# Allegro board EVK1_BM92T30-HOST-EVK-101_BRD_REV03_2016-02-26.brd (continued)
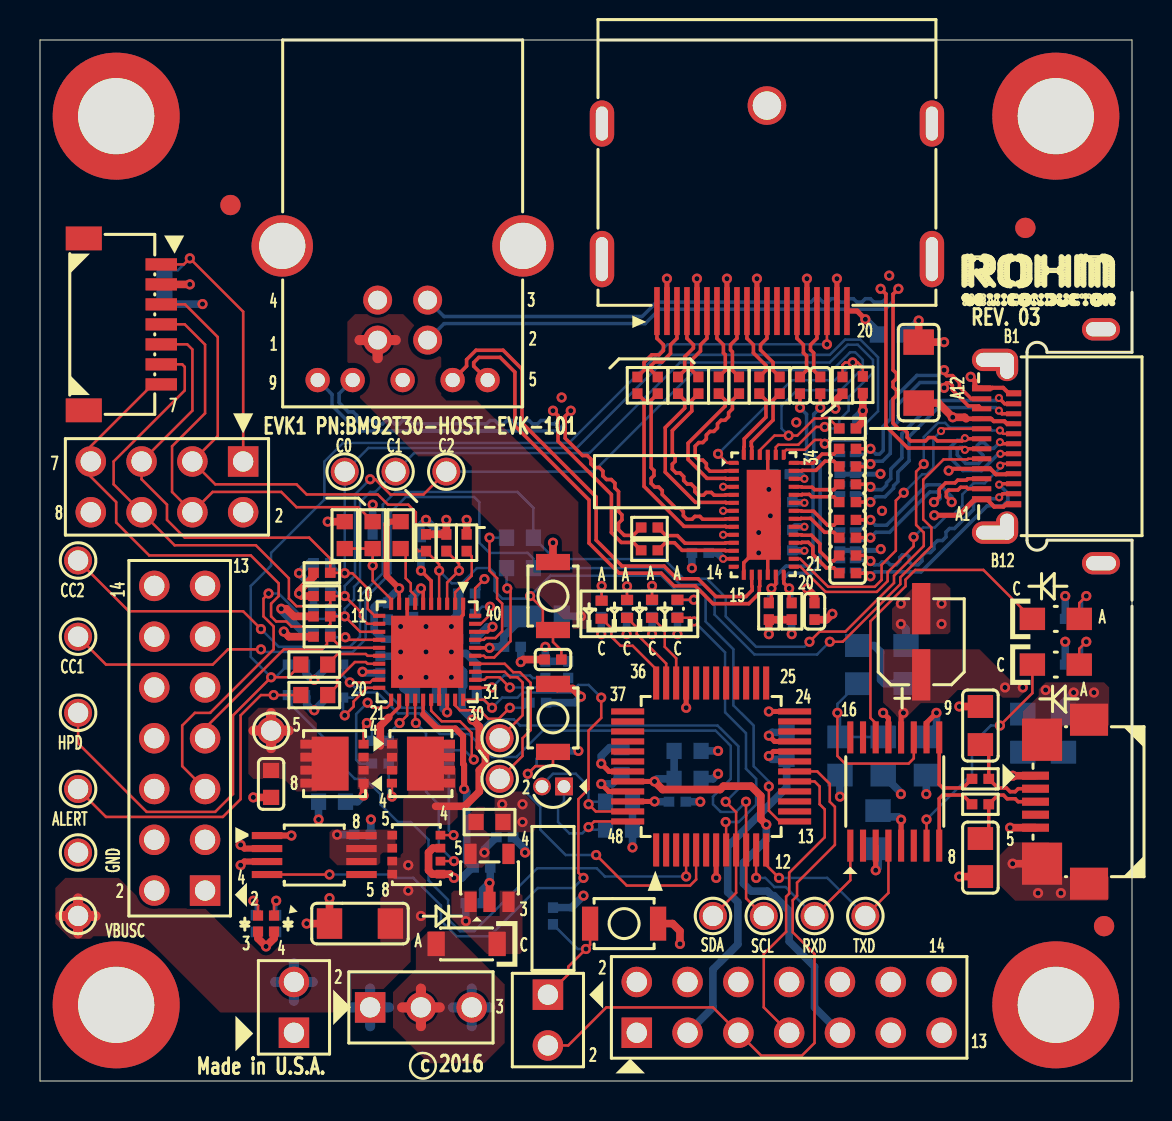
[diagram p0: board, top side]
## Routing (per net, layer and track width the routed paths; a pad name or vN(x,y) marks a point on that pad's centre or on a via; arc(x,y) is an arc through that point) (continued)
N1040605: length 6
  TOP w0.127: Q3.2 v1(20.7,11)
  BOTTOM w0.127: v1(20.7,11) 19.94,11.76 19.94,13.84 19.3,14.48 R4.2
N1040616: length 4.2
  TOP w0.127: Q3.4 v1(20.68,12.3)
  BOTTOM w0.127: R5.2 20.45,12.53 v1(20.68,12.3)
N1041041: length 14.2
  TOP w0.178: U1.25 19.16,18.34
  TOP w0.305: v1(21.21,14.61) 21.21,15.81 21.16,15.86 21.16,15.91 21.16,15.92 21.16,17.23 21.16,17.25 20.77,17.63 19.87,17.63 19.16,18.34
  TOP w0.381: v1(20.7,10.16) 20.51,10.35 Q3.1 19.62,10.35 19.43,10.54 19.43,11.43 19.65,11.65 Q3.3
  BOTTOM w0.381: v1(20.7,10.16) 21.11,10.16 21.62,10.67 C8.2 21.34,11.01 21.34,14.48 v1(21.21,14.61)
N1043525: length 0.9
  BOTTOM w0.381: C10.2 v1(14.86,12.32)
N1043540: length 37.2
  TOP w0.127: U1.30 22.21,19.07 v1(22.61,18.67) ; v1(27.18,10.16) 26.92,10.41 26.92,14.1 27.43,14.61 27.43,17.53 28.07,18.16 v1(28.07,19.18) ; U2.4 v1(14.48,10.33)
  BOTTOM w0.127: v1(27.18,10.16) 26.67,9.65 24.89,9.65 22.48,7.24 20.83,7.24 20.05,8.01 20.05,8.78 18.67,10.16 17.75,10.16 17.59,10.33 v1(14.48,10.33) ; v1(28.07,19.18) 27.43,19.81 26.92,19.81 26.54,19.43 24.13,19.43 23.88,19.18 23.11,19.18 v1(22.61,18.67) 22.48,18.8 22.44,18.8 R14.2
N1043570: length 3.5
  TOP w0.508: 10.68,17.53 TP2.1 ; TP2.1 12.43,17.53 ; TP2.1 11.56,16.65 ; TP2.1 11.56,18.4
N1044733: length 19.7
  TOP w0.127: v1(15.27,22.2) 15.4,22.07 U1.14 ; J5.5 7.11,15.75 7.11,17.78 7.75,18.41 8.51,18.41 11.68,21.59 11.68,22.73 11.18,23.24 11.18,24.13 v1(11.43,24.38)
  BOTTOM w0.127: v1(11.43,24.38) 11.94,24.38 13.21,23.11 14.39,23.11 14.52,22.99 R10.1 14.8,22.2 v1(15.27,22.2)
N1044754: length 5.3
  TOP w0.127: U1.10 17.56,24.09 16.64,25.02 v1(16.64,25.78) R26.1 R11B.1
  BOTTOM w0.127: R11A.2 v1(16.64,25.78)
N1045002: length 2.8
  TOP w0.127: U1.16 16.38,21.27 16.29,21.36 14.89,21.36 14.39,20.86 R22.1
N1045014: length 3.5
  TOP w0.127: U1.17 16.38,20.87 16.3,20.95 15.75,20.95 14.86,20.07 14.86,19.77 R23.1
N1045813: length 4.6
  TOP w0.127: v1(23.5,18.67) 22.94,18.12 22.41,18.12 21.98,18.55 21,18.55 20.76,18.79 U1.29
  BOTTOM w0.127: R13.2 24.22,18.67 v1(23.5,18.67)
N1045859: length 11.5
  TOP w0.127: J5.7 8.26,17.65 12.19,21.59 14.1,21.59 14.35,21.84 14.35,22.06 R18.2 15.07,21.67 U1.15
N1045864: length 4.4
  TOP w0.127: U1.3 20.36,24.93 v1(20.95,25.53) 20.95,25.87 R20.1
  BOTTOM w0.127: v1(20.95,25.53) 20.95,25.87 R20.1
N1046970: length 3.1
  TOP w0.127: R37.1 21.59,26.25 21.59,25.27 20.76,24.44 U1.2
N1049660: length 22.2
  TOP w0.127: EEPROM-IF.4 7.24,37.85 8.26,36.83 8.26,33.4 6.6,31.75 6.6,29.46 J12.4 8.64,29.46 12.06,29.46 12.83,28.7 15.91,28.7 R26.2
N1054392: length 2.2
  TOP w0.127: U1.39 22.05,22.87 22.5,23.32 v1(22.5,23.72)
  BOTTOM w0.127: v1(22.5,23.72) 22.11,23.72 C17.2
N1054695: length 5.1
  TOP w0.127: v1(23.5,19.68) 22.99,20.19 22.35,20.19 22.23,20.07 U1.32
  BOTTOM w0.127: v1(23.5,19.68) 25.95,19.68 R32.1
N1054899: length 3
  TOP w0.127: U1.40 21.76,24.64 v1(22.23,25.11)
  BOTTOM w0.127: C16.2 21.97,24.6 21.97,24.85 v1(22.23,25.11)
N1054977: length 2.1
  TOP w0.178: U1.38 22.38,22.47 v1(22.63,22.72)
  BOTTOM w0.381: C18.2 22.38,22.72 v1(22.63,22.72)
N1055987: length 5.9
  TOP w0.127: U1.33 23.24,20.47 23.52,20.19 23.88,20.19 24.14,19.93 24.14,18.29 TP0.1
N1055996: length 8.6
  TOP w0.127: TP1.1 24.13,16.26 24.13,17.14 24.54,17.55 24.54,19.91 24,20.45 23.66,20.45 23.24,20.87 U1.34
N1058749: length 5.9
  TOP w0.127: v1(23.37,24.64) 23.53,24.48 23.53,22 22.71,21.18 22.29,21.18 22.2,21.27 U1.35
  BOTTOM w0.127: R102.2 23.33,24.68 v1(23.37,24.64)
N1058753: length 7.3
  TOP w0.127: v1(22.48,27.18) 22.48,25.53 22.86,25.15 22.86,24.13 23.11,23.88 23.11,22.5 22.77,22.16 22.28,22.16 22.2,22.07 U1.37
  BOTTOM w0.127: R101.2 v1(22.48,27.18)
N1058804: length 3.4
  TOP w0.178: U1.36 v1(22.48,21.67)
  BOTTOM w0.381: v1(22.48,21.67) 22.53,21.72 C19.2 23.2,22.25 D1.2
N1061534: length 14.3
  TOP w0.127: EEPROM-IF.1 7.19,40.85 v1(7.49,41.15) 10.16,38.48 J12.1
  BOTTOM w0.127: R12.1 6.9,40.55 v1(7.49,41.15)
N13959643: length 13.9
  TOP w0.178: v1(38.01,33.68) C93.2 ; U24.19 36.79,24.86 v1(36.58,24.64) 36.58,24.04 R28.2
  BOTTOM w0.178: v1(38.01,33.68) 38.34,33.35 38.34,31.14 38.66,30.82 38.66,25.96 38.46,25.76 37.31,25.76 36.84,25.29 36.84,24.89 36.59,24.64 v1(36.58,24.64) 36.45,24.51 R28.2
N13959647: length 13.9
  TOP w0.178: R30.2 37.47,24.04 v1(37.47,24.64) 37.19,24.91 U24.20 ; v1(39.02,33.68) C94.2
  BOTTOM w0.178: R30.2 37.59,24.51 v1(37.47,24.64) 37.2,24.9 37.2,25.15 37.45,25.4 38.6,25.4 39.01,25.81 39.01,30.97 38.69,31.29 38.69,33.35 v1(39.02,33.68)
N13960041: length 11.8
  TOP w0.127: R53.1 40.13,35.81 40.26,35.94 v1(40.64,35.94) 40.89,35.94 41.15,35.69 R50.2 ; U24.1 34.36,30.92 v1(33.91,31.37)
  BOTTOM w0.127: v1(40.64,35.94) 39.75,35.05 37.59,35.05 v1(33.91,31.37)
N13960387: length 2.6
  TOP w0.178: U24.34 38.1,30.92 38.12,30.9 38.65,30.9 39.11,31.36 39.7,31.36 C85.1
N13960395: length 2.6
  TOP w0.178: C86.1 39.7,31 39.26,31 38.8,30.54 38.12,30.54 38.1,30.52 U24.33
N13960433: length 2.4
  TOP w0.178: C87.1 39.7,29.58 38.74,29.58 38.62,29.7 38.11,29.7 38.08,29.72 U24.31
N13960453: length 2.4
  TOP w0.178: U24.30 38.09,29.32 38.12,29.34 38.47,29.34 38.59,29.22 39.7,29.22 C88.1
N13960469: length 3.1
  TOP w0.178: C91.1 39.7,26.02 39.47,26.02 39,26.49 39,26.87 38.57,27.3 38.11,27.3 38.08,27.32 U24.25
N13960473: length 2.7
  TOP w0.178: 37.69,28.12 38.04,28.12 38.06,28.14 38.54,28.14 39.24,27.44 39.7,27.44 C90.1
N13960481: length 2.7
  TOP w0.178: C89.1 39.7,27.8 39.39,27.8 38.69,28.5 38.09,28.5 38.07,28.52 U24.28
N13960497: length 3.1
  TOP w0.178: C92.1 39.7,25.67 39.32,25.67 38.65,26.34 38.65,26.72 38.43,26.94 38.1,26.94 38.08,26.92 U24.24
N13961019: length 16
  TOP w0.127: v2(45.06,32.51) 45.17,32.62 U23.A8 ; v1(43.2,29.43) 42.8,29.03 42.8,26.53 42.09,25.81 42.09,25.06 41.74,24.72 39.42,24.72 38.01,26.12 U24.22
  BOTTOM w0.127: v2(45.06,32.51) 44.68,32.13 44.68,30.68 44.35,30.35 44.12,30.35 v1(43.2,29.43)
N13961039: length 15.1
  TOP w0.127: U24.21 38.03,25.72 39.29,24.46 41.85,24.46 42.39,25 42.39,25.45 43.69,26.74 v1(43.69,27.21) ; U23.B8 48.11,30.87 v2(48.02,30.78)
  BOTTOM w0.127: v1(43.69,27.21) 44.16,27.68 44.75,27.68 45.39,28.32 45.66,28.32 46.13,28.79 46.13,29.34 46.69,29.9 47.24,29.9 48.02,30.67 v2(48.02,30.78)
N13962061: length 1
  BOTTOM w0.381: C2.2 22.23,11.6 v1(22.23,11.43)
N13962097: length 1.5
  TOP w0.127: D14.1 11.7,8.91 v1(11.81,9.02)
  BOTTOM w0.127: R155.2 v1(11.81,9.02)
N13962101: length 1.6
  TOP w0.127: v1(10.67,9.02) 10.9,8.78 D14.2
  BOTTOM w0.127: v1(10.67,9.02) 10.79,8.89 R156.2
N13962195: length 0.9
  BOTTOM w0.381: C3.2 v1(21.3,8)
N13963383: length 6.8
  TOP w0.127: v1(27.43,13.84) 27.79,13.48 U6.47
  BOTTOM w0.127: C34.1 27.56,13.97 v1(27.43,13.84) 27.43,14.73 26.8,15.37 25.65,15.37 25.1,14.82 X1.2
N13963387: length 6.8
  TOP w0.127: v1(27.43,12.7) 27.71,12.98 U6.48
  BOTTOM w0.127: C35.1 27.56,12.57 v1(27.43,12.7) 27.12,12.39 26.48,12.39 25.91,12.95 25.91,13.67 26.2,13.97 X1.1
N13963581: length 1.4
  TOP w0.127: D13.2 v1(30.61,24.77)
  BOTTOM w0.127: R41.1 v1(30.61,24.77)
N13963633: length 1.4
  TOP w0.127: D12.2 v1(29.36,24.74)
  BOTTOM w0.127: v1(29.36,24.74) 29.34,24.72 R42.1
N13963657: length 1.5
  TOP w0.127: D11.2 v1(28.09,24.77)
  BOTTOM w0.127: R43.1 28.07,24.74 v1(28.09,24.77)
N13963717: length 1.7
  TOP w0.127: D10.2 v1(32.7,24.07)
  BOTTOM w0.127: v1(32.7,24.07) 32.67,24.04 R44.1
N13963729: length 3.8
  TOP w0.127: D13.1 31.24,22.54 31.24,21.72 31.81,21.15 U6.34
N13963741: length 4.7
  TOP w0.127: D11.1 28.57,22.64 28.57,22.23 29.03,21.77 29.64,21.77 30.81,20.6 U6.36
N13963753: length 14.6
  TOP w0.127: v1(34.29,12.95) 34.31,12.93 U6.8 ; D10.1 32.52,23.17 v1(32.71,22.99)
  BOTTOM w0.127: v1(34.29,12.95) 34.94,12.95 35.81,13.83 35.81,15.11 35.31,15.62 35.31,17.4 34.26,18.44 34.26,21.43 v1(32.71,22.99)
N13963793: length 2.1
  TOP w0.254: U6.46 v1(30.73,13.98)
  BOTTOM w0.381: C36.2 30.75,13.97 v1(30.73,13.98)
N13963807: length 4.1
  TOP w0.127: U6.35 31.31,20.88 29.84,22.35 29.84,22.68 D12.1
N13964099: length 31.8
  TOP w0.127: J4.2 26.42,1.78 28.32,3.68 33.66,3.68 J3.5 36.07,1.27 38.1,1.27 38.73,1.91 38.73,6.35 37.64,7.44 37.64,9.04 37.86,9.26 37.86,9.92 39.75,11.81 39.75,13.72 39.5,13.97 39.5,14.86 38.87,15.48 U6.18
N13964103: length 15.6
  TOP w0.127: U6.17 38.74,14.98 38.99,14.73 38.99,13.84 39.24,13.59 39.24,12.19 37.47,10.41 37.47,9.37 37.31,9.22 37.31,7.47 36.2,6.35 36.2,3.68 J3.7
N13965463: length 2.5
  TOP w0.127: v1(52.32,24.26) 51.97,23.91 LED3.A
  BOTTOM w0.127: R46.1 52.11,24.04 v1(52.32,24.26)
N13965467: length 2.5
  TOP w0.127: v1(52.32,21.97) 51.97,21.62 LED4.A
  BOTTOM w0.127: R47.1 52.11,21.76 v1(52.32,21.97)
N13965575: length 4.6
  TOP w0.178: C44.2 47.45,16.41 R48.1 47.9,14.66 48.33,14.66 48.51,14.47 48.77,14.47 48.92,14.62 J11.2
N13965599: length 4.6
  TOP w0.178: C45.2 47.45,12.55 R49.1 47.9,14.3 48.18,14.3 48.37,14.12 48.77,14.12 48.92,13.97 J11.3
N13965631: length 12.6
  TOP w0.127: v1(39.88,18.41) 39.88,16.26 40.26,15.88 43.43,15.88 43.7,16.14 U5.11
  BOTTOM w0.127: R45.1 39.88,18.86 v1(39.88,18.41) 40.01,18.29 C46.2 R25.2
N13965639: length 11.5
  TOP w0.127: v1(48.01,17.78) 49.63,19.4 LED4.C ; U5.7 v1(44.33,13.08)
  BOTTOM w0.127: v1(48.01,17.78) 47.55,17.78 46.61,16.84 46.61,15.36 v1(44.33,13.08)
N13965663: length 16.3
  TOP w0.127: U5.14 41.79,17.9 41.53,18.16 41.53,22.99 43.28,24.75 43.28,25.08 43.77,25.56 47.18,25.56 LED3.C
N13965667: length 1.1
  TOP w0.381: J11.1 v1(48.64,15.27)
N13965855: length 4.3
  TOP w0.178: U5.9 44.97,14.84 45.15,14.66 46.15,14.66 R48.2
N13965859: length 4.3
  TOP w0.178: R49.2 46.15,14.3 45.15,14.3 44.97,14.12 U5.8
N13985004: length 6.6
  TOP w0.127: SW3.1 27.51,6.81 v1(27.3,6.6) 26.42,5.71 26.42,5.33 J4.1
  BOTTOM w0.127: v1(27.3,6.6) 26.89,6.6 C38.2
N14119229: length 17.2
  TOP w0.127: SW2.1 25.65,15.86 25.54,15.75 24.78,15.75 v1(24.39,15.37) ; U6.5 32.81,10.08 32.51,9.78 29.34,9.78 v1(27.81,11.3)
  BOTTOM w0.127: C37.2 25.22,16.51 24.83,16.12 24.83,15.81 v1(24.39,15.37) 24.39,14.34 25.02,13.72 25.02,12.57 26.29,11.3 v1(27.81,11.3)
N14121400: length 2.4
  TOP w0.127: Q1.4 v1(17.6,14.22)
  BOTTOM w0.127: R2.2 17.44,14.39 v1(17.6,14.22)

## Copper pours and planes (outline as drawn; the poured copper is in the pictures)
3V3 on L3_PWR: 44.45,8.89 43.43,9.91 41.78,9.91 41.4,10.29 41.4,11.68 44.45,14.73 44.45,18.41 45.97,19.94 45.97,25.53 48.72,28.28 48.72,27.05 49.53,25.96 50.8,26.42 53.98,26.42 53.98,8.89
GND on TOP: 42.61,24.51 42.61,22.61 42.86,22.35 45.4,22.35 45.53,22.48 45.53,24.64 45.28,24.89 42.99,24.89
GND on TOP: 49.15,16 51.05,16 51.05,11.94 48.64,11.94 48.01,11.3 48.01,9.78 48.77,9.02 53.34,9.02 53.47,9.14 53.47,10.41 51.18,10.41 51.18,17.78 53.47,17.78 53.47,19.68 53.21,19.94 50.29,19.94 49.15,18.8
GND on L2_GND: 48.72,27.05 49.53,25.96 50.8,26.42 53.98,26.42 53.98,0.64 0.64,0.64 0.64,51.44 53.98,51.44 53.98,37.08 50.8,37.08 49.53,37.54 48.72,36.45 ; 4 cut-outs
V3P3 on TOP: 22.73,14.35 22.73,12.45 24.64,12.45 24.77,12.57 24.77,13.84 24.13,14.48 22.86,14.48
V3P3 on L3_PWR: 0.64,0.64 0.64,51.44 53.98,51.44 53.98,37.08 50.8,37.08 49.8,37.58 48.86,36.98 44.22,36.98 42.16,34.92 42.16,33.53 41.53,32.89 41.53,32.38 41.02,31.88 39.75,31.88 39.57,31.7 39.57,20.27 36.58,17.27 36.58,14.48 34.8,12.7 30.23,12.7 28.57,11.05 20.45,11.05 20.07,11.43 13.97,11.43 13.46,10.92 13.46,9.65 15.62,7.49 17.53,7.49 18.92,6.1 31.24,6.1 31.88,6.73 43.56,6.73 45.21,8.38 53.98,8.38 53.98,0.64 ; 4 cut-outs
VCCIN on L3_PWR: 18.54,28.32 18.54,25.27 18.67,25.15 19.18,25.15 19.56,24.77 19.56,22.35 20.57,21.34 25.4,21.34 25.65,21.59 25.65,23.62 25.27,24 24.13,24 23.88,24.26 23.88,25.91 23.75,26.04 22.23,26.04 21.59,26.67 21.59,28.57 21.34,28.83 19.05,28.83
VIN on TOP: 20.57,7.49 19.43,7.49 18.8,6.86 18.8,5.59 17.65,4.45 17.65,2.67 19.43,0.89 22.23,0.89 23.24,1.91 23.24,4.83
DEBUG_VBUS_5V on TOP: 46.99,21.59 48.51,20.07 49.15,20.07 49.4,19.81 49.4,19.43 49.15,19.18 48.13,19.18 47.75,19.56 45.89,19.56 45.23,18.9 44.05,18.9 43.18,18.03 43.18,16.38 42.93,16.38 42.93,18.16 42.16,18.92 42.16,21.59
DEBUG_VBUS_5V on BOTTOM: 47.12,18.16 47.12,19.18 44.32,19.18 43.81,18.67 43.81,18.16 43.69,18.03 42.8,18.03 42.55,18.29 42.55,20.19 42.8,20.45 49.53,20.45 49.78,20.19 49.78,17.78 48.51,17.78 48.13,18.16
TYPEC_VBUS on TOP (solid shape): 20.2,17.06 20.75,17.06 20.75,16.64 20.2,16.64 20.2,16.41 20.75,16.41 20.75,15.99 20.2,15.99 20.2,15.76 20.75,15.76 20.75,15.34 20.2,15.34 20.2,15.11 20.75,15.11 20.75,14.69 20.2,14.69 20.2,14.52 18.35,14.52 18.35,17.23 20.2,17.23
TYPEC_VBUS on TOP: 17.02,9.14 17.4,9.53 17.4,11.18 17.91,11.18 18.16,11.43 18.16,14.1 18.41,14.35 18.41,17.07 20.89,17.07 20.89,13.2 20.5,12.81 19.54,12.81 19.3,12.57 19.3,7.75 18.54,6.99 18.54,5.97 17.14,4.57 16.13,4.57 14.99,3.43 9.02,3.43 5.21,7.24 2.67,7.24 2.54,7.11 1.52,7.11 0.76,7.87 0.76,9.65 1.27,10.16 3.94,10.16 5.46,8.64 8.26,8.64 10.03,6.86 17.02,6.86
TYPEC_VBUS on L3_PWR: 48.51,36.83 44.32,36.83 42.42,34.92 42.42,33.4 41.78,32.77 41.78,32.26 41.15,31.62 39.88,31.62 39.83,31.57 39.83,20.14 36.83,17.14 36.83,14.35 34.92,12.45 30.35,12.45 28.7,10.79 20.32,10.79 19.94,11.18 14.1,11.18 13.72,10.79 13.72,9.91 15.88,7.75 17.65,7.75 19.05,6.35 31.11,6.35 31.75,6.99 43.05,6.99 43.69,7.62 43.69,8.76 42.93,9.53 41.78,9.53 41.15,10.16 41.15,11.81 44.07,14.73 44.07,18.48 45.72,20.13 45.72,25.65 48.13,28.07 48.39,28.07 48.58,28.26 48.58,36.77
USB3_VBUS on TOP: 26.67,22.61 27.3,22.61 27.56,22.86 27.56,25.78 26.92,26.42 26.92,28.96 21.84,34.04 20.32,34.04 20.07,34.29 20.07,36.45 18.16,38.35 15.75,38.35 15.37,37.97 15.37,34.8 18.92,31.24 21.08,31.24 21.59,30.73 21.59,28.83 22.99,27.43 22.99,25.4 23.75,24.64 24.64,24.64
USB3_VBUS on BOTTOM: 6.48,10.16 7.24,9.4 11.81,9.4 12.19,9.02 12.19,7.87 12.06,7.75 11.56,7.75 11.56,7.24 11.81,6.99 16,6.99 18.29,4.7 19.56,4.7 20.07,4.19 20.07,2.92 20.57,2.41 22.35,2.41 22.99,3.05 22.99,5.59 21.59,6.99 20.57,6.99 19.68,7.87 19.05,7.87 17.02,9.91 14.22,9.91 13.84,10.29 13.84,12.57 13.08,13.34 13.08,17.81 11.82,19.06 11.82,19.29 10.79,20.32 10.79,26.16 13.97,29.34 13.97,33.02 12.95,34.04 12.95,35.43 13.34,35.81 17.91,35.81 18.29,36.2 18.29,37.72 16.26,39.75 10.67,39.75 6.48,35.56
USB3_VBUS on L3_PWR: 25.91,23.62 25.91,21.46 25.53,21.08 20.32,21.08 19.56,20.32 19.56,18.67 20.19,18.03 20.83,18.03 21.21,18.41 28.45,18.41 28.83,18.8 28.83,20.32 27.56,21.59 27.56,23.75 27.43,23.88 26.16,23.88
VEXT on BOTTOM: 11.94,3.56 13.72,3.56 14.86,2.41 17.65,2.41 17.91,2.67 17.91,4.7 16,6.6 11.56,6.6 11.18,6.99 11.18,7.75 10.29,7.75 10.16,7.62 10.16,5.33
N1038629 on TOP: 15.88,16.38 15.88,14.61 16.64,14.61 16.89,14.86 16.89,15.24 17.02,15.37 17.91,15.37 17.91,17.14 16.76,17.14 16.76,16.51 16.64,16.38
N1043525 on TOP: 16.89,10.79 17.02,10.92 17.02,11.3 17.14,11.43 17.78,11.43 17.78,12.57 14.61,12.57 14.48,12.45 14.48,11.18 14.86,10.79
N1043570 on TOP (solid shape): 15.43,14.52 13.58,14.52 13.58,14.69 13.03,14.69 13.03,15.11 13.58,15.11 13.58,15.34 13.03,15.34 13.03,15.76 13.58,15.76 13.58,15.99 13.03,15.99 13.03,16.41 13.58,16.41 13.58,16.64 13.03,16.64 13.03,17.06 13.58,17.06 13.58,17.23 15.43,17.23
N1043570 on TOP: 10.41,18.16 10.41,15.37 10.67,15.11 12.19,15.11 12.83,14.48 13.84,14.48 13.84,17.91 13.08,18.67 10.92,18.67
N13962061 on TOP: 21.21,10.67 22.1,10.67 22.48,11.05 22.48,12.32 22.23,12.57 22.23,13.72 21.21,13.72
N13962195 on TOP: 22.99,9.53 23.88,9.53 24.13,9.27 24.13,6.48 24,6.35 22.35,6.35 20.57,8.13 20.57,9.4 20.7,9.53 21.84,9.53 21.84,8.26 22.99,8.26
N13965667 on BOTTOM: 52.32,16.89 52.32,15.11 52.07,14.86 47.24,14.86 46.99,15.11 46.99,16.64 47.24,16.89

## Text on the board
Ref Des/Silkscreen Top: Made in U.S.A. | EVK1 PN:BM92T30-HOST-EVK-101 | c 2016 | REV. 03
L2_GND: L2_GND
L3_PWR: L3_PWR
DIMENSION: R.020 | 0.5 | .167 | 4.25 | X2 | 2.050 | 52.07 | 1.065 | .615 | 27.05 | 15.62
LOGO_OUTLINE_M: SHEET:
User.7: ASSEMBLY | SECONDARY-SIDE | 2 OF 2
User.9: 3 | 5 | 6 | 8 | 4 | 17 | 24 | 16 | 2 | LED7 | LED0 | 32 | 9 | 1 | 25
User.10: 14. Rounding is allowed on 90 degree corners with the size of | 12. Inside corners should be rounded-off | 13. Changes to board geometries and apertures are not | 10. Bow and Twist | 11. Inspection | standard routing bit. | allowed unless they are approved by customer. | 4. Drilling | 5. Finish | 9. Packaging | 8. Cleanliness | 7. Electrical Test | 3. Soldermask | photoimageable soldermask, 003 max. thickness. | Soldermask over bare copper. | Soldermask is allowed in via holes. | Bow and twist to be .007 IN/IN or .090 max according to IPC-A-600D. | NOTES: | 2. Material | 6. Silkscreen | to conduct a thorough review of the artwork and media for | writing (in advance of manufacturing) of any changes, revisions,or | 1. Specifications. | as meaxured by the omega meter 600SMD. | A. All hole diameters are finished sizes. | B. All hole to be +/- .003 from true position unless otherwise specified. | C. All hole diameters to be +/- .003 unless otherwise specified. | D. An NC drill file has been supplied - see drill table. | A. Plate thru with copper .0010 min to .002 max. thickness drill size | dimension apply after plating. | B. Use gold immersion over nickel. | C. Finished boards shall not have nicks, | scratches, voids, exposed copper, poor plating, all misdrilled holes. | manufacturability in the supplier's process compliance to all | A. Boards shall be free of fiber glass dust or any other foreign material. | B. Finished boards must conform to 0.01 MG/IN max NAcL ionic contamination | A. All boards shall be 100% electrically tested for opens/short at 10 volts. | MIL-SPEC boards to be tested at 40 volts. | B. Apply test stamp in non-legend area on solder side of PCB. | C. Test is required on both sides of the board. | Solder mask both sides with (green color) liquid | A. FR4. | B. Color to be opaque. | A. Silkscreen using white non-conductive epoxy or equivalent (both sides). | B. No silkscreen allowed on exposed lands. | C. Silkscreen must be a minimum of 3mm away form fiducial marks. | D. Minimum clearance between silkscreen legend and vias, pads, or holes | to be .005. | E. Silkscreen is allowed in via holes. | There shall be a max of 25 units per package, individually wrapped, | and shipped in cardboard cratons with sufficient surrounding | material to prevend shipping damage. | A.Automatic optical inspection of all layers required. | B.The impedance should be controlled by stackup layer. | gerber and drill data when applicable. | A. Fabricate IAW  IPC600, latest revision. | B. Producibility study - It is the respondsibility  of the supplier | corrections made or recommendations to ensure conformance to | D. This drawing is to be used in conjunction with the provided | E. All notes are "Unless Otherwise Specified." | standards, and of  any specifications that  cannot be met. | applicable specifications. Customer must be advised in
User.11: RADIUS | FULL | DETAIL A | .208" | (REF) | 0 | .104" | .080" | TYP. | (4x) 0.125 +/-0.003 NPTH | REF DETAIL "A"(32X) | (3x) 0.040 FIDUCIALS WITH 0.120 MASK CLEARANCE
User.12: LAYER STACKING DETAIL | Total Overal Thickness: | Ref. Layer | Material Type | 2 | 3 | Layer # | Solder Mask | Plating | 1 | 4 | FR4 | Layer | Type | TOP | GND | PWR | BOT | Copper | Weight | (Oz) | 0.5 | Material Ordering Info (used in lieu of Fasttrak data) | Panel Size | Number Up | Number of Parts Due | Prepregs Construction Added? | Material Ply Specified | Material Type (ie Nelco-29, 370 HR, ...) | 64.8 +/- 10% | Thickness | (Mils) | 1.2 | 0.7 | 1.4 | SIG | Material | Type - Ply | Prepreg | Core | Dielectric | 4.4 | 47 | 62.00+/-10% | 1.35 | 0.65 | Finished | Mils | Line | 7 | Diff. Gap | ______ | 58.00 | Impedance | Required | (Ohms) | 85
User.35: FIGURE | SIZE | 8.0 | 10.0 | 25.0 | 28.0 | 37.0 | 40.0 | 91.0 | 150.0 | 56.0 | 51.181x27.559 | 59.0x28.0 | 67.0x24.0 | 74.803x27.559 | 87.0x24.0 | DRILL CHART: TOP to BOTTOM | ALL UNITS ARE IN MILS | TOLERANCE | +0.0/-8.0 | +3.0/-3.0 | +3.0/-0.0 | +2.0/-2.0 | PLATED | NON-PLATED | QTY | 19 | 225 | 2 | 5 | 4 | 59 | 1
